# KiCad board JL-rev1.kicad_pcb (continued)
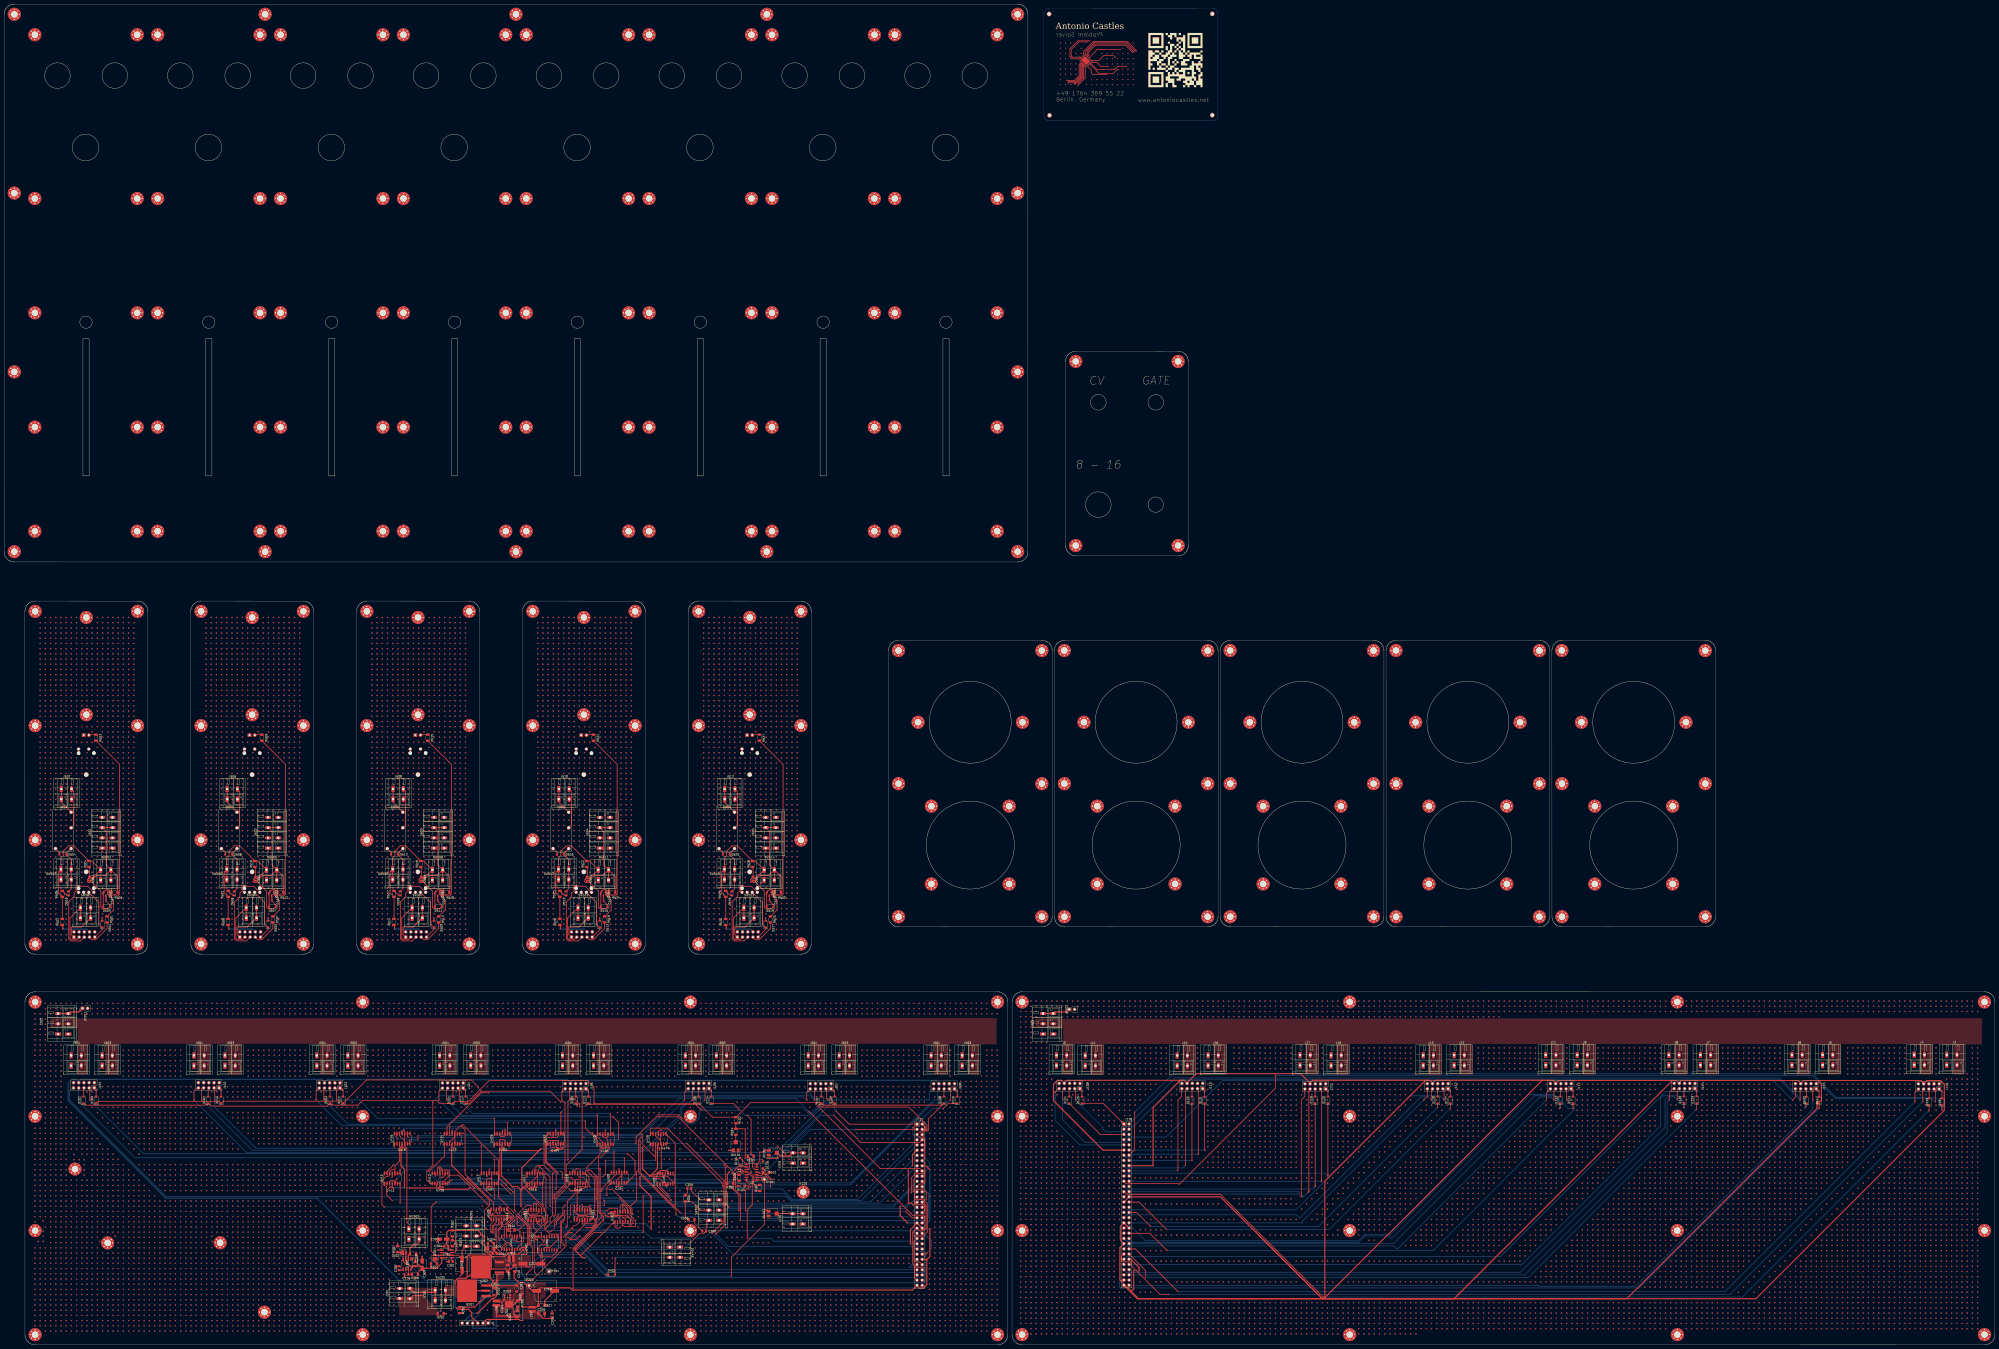
[diagram p0: board, top side]
## Routing (per net, layer and track width the routed paths; a pad name or vN(x,y) marks a point on that pad's centre or on a via; arc(x,y) is an arc through that point) (continued)
v2(383.39,141.42) v2(383.39,138.88) v2(383.39,136.34) v2(383.39,133.8) v2(383.39,131.26) v2(383.39,126.18) v2(383.39,113.48) v2(383.39,110.94) v2(383.39,108.4) v2(383.39,105.86) v2(383.39,103.32) v2(383.39,90.62) v2(383.39,85.54) v2(383.39,83) v2(383.39,80.46) v2(383.39,75.38) v2(383.39,52.52) v2(383.39,42.36) v2(383.39,39.82) v2(383.39,24.58) v2(383.39,22.04) v2(383.39,19.5) v2(383.39,16.96) v2(383.39,14.42) v2(383.39,11.88) v2(383.39,9.34) v2(383.39,6.8) v2(385.93,166.82) v2(385.93,164.28) v2(385.93,161.74) v2(385.93,143.96) v2(385.93,141.42) v2(385.93,138.88) v2(385.93,136.34) v2(385.93,133.8) v2(385.93,131.26) v2(385.93,126.18) v2(385.93,113.48) v2(385.93,110.94) v2(385.93,108.4) v2(385.93,105.86) v2(385.93,90.62) v2(385.93,85.54) v2(385.93,83) v2(385.93,80.46) v2(385.93,75.38) v2(385.93,72.84) v2(385.93,52.52) v2(385.93,42.36) v2(385.93,39.82) v2(385.93,24.58) v2(385.93,22.04) v2(385.93,19.5) v2(385.93,16.96) v2(385.93,14.42) v2(385.93,11.88) v2(385.93,9.34) v2(385.93,6.8) v2(388.47,166.82) v2(388.47,164.28) v2(388.47,161.74) v2(388.47,126.18) v2(388.47,113.48) v2(388.47,110.94) v2(388.47,108.4) v2(388.47,95.7) v2(388.47,90.62) v2(388.47,85.54) v2(388.47,83) v2(388.47,80.46) v2(388.47,52.52) v2(388.47,42.36) v2(388.47,39.82) v2(388.47,24.58) v2(388.47,22.04) v2(388.47,19.5) v2(388.47,16.96) v2(388.47,14.42) v2(388.47,11.88) v2(388.47,9.34) v2(388.47,6.8) v2(391.01,166.82) v2(391.01,164.28) v2(391.01,161.74) v2(391.01,126.18) v2(391.01,110.94) v2(391.01,98.24) v2(391.01,95.7) v2(391.01,90.62) v2(391.01,85.54) v2(391.01,83) v2(391.01,80.46) v2(391.01,52.52) v2(391.01,42.36) v2(391.01,39.82) v2(391.01,24.58) v2(391.01,22.04) v2(391.01,19.5) v2(391.01,16.96) v2(391.01,14.42) v2(391.01,11.88) v2(391.01,9.34) v2(391.01,6.8) v2(393.55,166.82) v2(393.55,164.28) v2(393.55,161.74) v2(393.55,116.02) v2(393.55,100.78) v2(393.55,98.24) v2(393.55,95.7) v2(393.55,93.16) v2(393.55,90.62) v2(393.55,88.08) v2(393.55,85.54) v2(393.55,83) v2(393.55,80.46) v2(393.55,57.6) v2(393.55,52.52) v2(393.55,42.36) v2(393.55,39.82) v2(393.55,24.58) v2(393.55,22.04) v2(393.55,19.5) v2(393.55,16.96) v2(393.55,14.42) v2(393.55,11.88) v2(393.55,9.34) v2(393.55,6.8) v2(396.09,166.82) v2(396.09,164.28) v2(396.09,161.74) v2(396.09,103.32) v2(396.09,100.78) v2(396.09,98.24) v2(396.09,95.7) v2(396.09,93.16) v2(396.09,90.62) v2(396.09,88.08) v2(396.09,85.54) v2(396.09,83) v2(396.09,80.46) v2(396.09,75.38) v2(396.09,72.84) v2(396.09,57.6) v2(396.09,52.52) v2(396.09,42.36) v2(396.09,39.82) v2(396.09,24.58) v2(396.09,22.04) v2(396.09,19.5) v2(396.09,16.96) v2(396.09,14.42) v2(396.09,11.88) v2(396.09,9.34) v2(396.09,6.8) v2(398.63,166.82) v2(398.63,164.28) v2(398.63,161.74) v2(398.63,103.32) v2(398.63,100.78) v2(398.63,98.24) v2(398.63,95.7) v2(398.63,93.16) v2(398.63,90.62) v2(398.63,88.08) v2(398.63,85.54) v2(398.63,83) v2(398.63,80.46) v2(398.63,75.38) v2(398.63,72.84) v2(398.63,57.6) v2(398.63,52.52) v2(398.63,42.36) v2(398.63,39.82) v2(398.63,24.58) v2(398.63,22.04) v2(398.63,19.5) v2(398.63,16.96) v2(398.63,14.42) v2(398.63,11.88) v2(398.63,9.34) v2(398.63,6.8) v2(401.17,166.82) v2(401.17,164.28) v2(401.17,161.74) v2(401.17,108.4) v2(401.17,103.32) v2(401.17,100.78) v2(401.17,98.24) v2(401.17,95.7) v2(401.17,93.16) v2(401.17,90.62) v2(401.17,88.08) v2(401.17,85.54) v2(401.17,83) v2(401.17,80.46) v2(401.17,75.38) v2(401.17,72.84) v2(401.17,57.6) v2(401.17,52.52) v2(401.17,42.36) v2(401.17,39.82) v2(401.17,24.58) v2(401.17,22.04) v2(401.17,19.5) v2(401.17,16.96) v2(401.17,14.42) v2(401.17,11.88) v2(401.17,9.34) v2(401.17,6.8) v2(403.71,166.82) v2(403.71,164.28) v2(403.71,161.74) v2(403.71,100.78) v2(403.71,98.24) v2(403.71,95.7) v2(403.71,93.16) v2(403.71,90.62) v2(403.71,88.08) v2(403.71,85.54) v2(403.71,83) v2(403.71,80.46) v2(403.71,75.38) v2(403.71,72.84) v2(403.71,57.6) v2(403.71,52.52) v2(403.71,42.36) v2(403.71,39.82) v2(403.71,24.58) v2(403.71,22.04) v2(403.71,19.5) v2(403.71,16.96) v2(403.71,14.42) v2(403.71,11.88) v2(403.71,9.34) v2(403.71,6.8) v2(406.25,166.82) v2(406.25,164.28) v2(406.25,161.74) v2(406.25,126.18) v2(406.25,103.32) v2(406.25,98.24) v2(406.25,95.7) v2(406.25,93.16) v2(406.25,90.62) v2(406.25,88.08) v2(406.25,85.54) v2(406.25,83) v2(406.25,80.46) v2(406.25,75.38) v2(406.25,72.84) v2(406.25,57.6) v2(406.25,52.52) v2(406.25,42.36) v2(406.25,39.82) v2(406.25,24.58) v2(406.25,22.04) v2(406.25,19.5) v2(406.25,16.96) v2(406.25,14.42) v2(406.25,11.88) v2(406.25,9.34) v2(406.25,6.8) v2(408.79,166.82) v2(408.79,164.28) v2(408.79,161.74) v2(408.79,126.18) v2(408.79,123.64) v2(408.79,121.1) v2(408.79,118.56) v2(408.79,100.78) v2(408.79,95.7) v2(408.79,93.16) v2(408.79,90.62) v2(408.79,88.08) v2(408.79,85.54) v2(408.79,83) v2(408.79,80.46) v2(408.79,75.38) v2(408.79,72.84) v2(408.79,57.6) v2(408.79,52.52) v2(408.79,42.36) v2(408.79,39.82) v2(408.79,24.58) v2(408.79,22.04) v2(408.79,19.5) v2(408.79,16.96) v2(408.79,14.42) v2(408.79,11.88) v2(408.79,9.34) v2(408.79,6.8) v2(411.33,166.82) v2(411.33,164.28) v2(411.33,161.74) v2(411.33,126.18) v2(411.33,123.64) v2(411.33,121.1) v2(411.33,118.56) v2(411.33,113.48) v2(411.33,98.24) v2(411.33,93.16) v2(411.33,90.62) v2(411.33,88.08) v2(411.33,85.54) v2(411.33,83) v2(411.33,80.46) v2(411.33,75.38) v2(411.33,72.84) v2(411.33,57.6) v2(411.33,52.52) v2(411.33,42.36) v2(411.33,39.82) v2(411.33,24.58) v2(411.33,22.04) v2(411.33,19.5) v2(411.33,16.96) v2(411.33,14.42) v2(411.33,11.88) v2(411.33,9.34) v2(411.33,6.8) v2(413.87,166.82) v2(413.87,164.28) v2(413.87,161.74) v2(413.87,126.18) v2(413.87,123.64) v2(413.87,121.1) v2(413.87,118.56) v2(413.87,113.48) v2(413.87,110.94) v2(413.87,95.7) v2(413.87,90.62) v2(413.87,88.08) v2(413.87,85.54) v2(413.87,83) v2(413.87,75.38) v2(413.87,72.84) v2(413.87,57.6) v2(413.87,52.52) v2(413.87,42.36) v2(413.87,39.82) v2(413.87,24.58) v2(413.87,22.04) v2(413.87,19.5) v2(413.87,16.96) v2(413.87,14.42) v2(413.87,11.88) v2(413.87,9.34) v2(413.87,6.8) v2(416.41,166.82) v2(416.41,164.28) v2(416.41,161.74) v2(416.41,126.18) v2(416.41,123.64) v2(416.41,121.1) v2(416.41,118.56) v2(416.41,113.48) v2(416.41,110.94) v2(416.41,103.32) v2(416.41,93.16) v2(416.41,88.08) v2(416.41,85.54) v2(416.41,77.92) v2(416.41,75.38) v2(416.41,72.84) v2(416.41,57.6) v2(416.41,52.52) v2(416.41,42.36) v2(416.41,39.82) v2(416.41,24.58) v2(416.41,22.04) v2(416.41,19.5) v2(416.41,16.96) v2(416.41,14.42) v2(416.41,11.88) v2(416.41,9.34) v2(416.41,6.8) v2(418.95,166.82) v2(418.95,164.28) v2(418.95,161.74) v2(418.95,143.96) v2(418.95,141.42) v2(418.95,138.88) v2(418.95,136.34) v2(418.95,133.8) v2(418.95,131.26) v2(418.95,126.18) v2(418.95,123.64) v2(418.95,121.1) v2(418.95,118.56) v2(418.95,113.48) v2(418.95,110.94) v2(418.95,103.32) v2(418.95,100.78) v2(418.95,90.62) v2(418.95,80.46) v2(418.95,77.92) v2(418.95,75.38) v2(418.95,57.6) v2(418.95,52.52) v2(418.95,42.36) v2(418.95,39.82) v2(418.95,24.58) v2(418.95,22.04) v2(418.95,19.5) v2(418.95,16.96) v2(418.95,14.42) v2(418.95,11.88) v2(418.95,9.34) v2(418.95,6.8) v2(421.49,166.82) v2(421.49,164.28) v2(421.49,161.74) v2(421.49,143.96) v2(421.49,141.42) v2(421.49,138.88) v2(421.49,136.34) v2(421.49,133.8) v2(421.49,131.26) v2(421.49,126.18) v2(421.49,123.64) v2(421.49,121.1) v2(421.49,118.56) v2(421.49,113.48) v2(421.49,110.94) v2(421.49,103.32) v2(421.49,100.78) v2(421.49,95.7) v2(421.49,83) v2(421.49,80.46) v2(421.49,77.92) v2(421.49,57.6) v2(421.49,52.52) v2(421.49,42.36) v2(421.49,39.82) v2(421.49,24.58) v2(421.49,22.04) v2(421.49,19.5) v2(421.49,16.96) v2(421.49,14.42) v2(421.49,11.88) v2(421.49,9.34) v2(421.49,6.8) v2(424.03,166.82) v2(424.03,164.28) v2(424.03,161.74) v2(424.03,143.96) v2(424.03,141.42) v2(424.03,138.88) v2(424.03,136.34) v2(424.03,133.8) v2(424.03,131.26) v2(424.03,126.18) v2(424.03,123.64) v2(424.03,121.1) v2(424.03,118.56) v2(424.03,113.48) v2(424.03,110.94) v2(424.03,103.32) v2(424.03,100.78) v2(424.03,95.7) v2(424.03,93.16) v2(424.03,85.54) v2(424.03,80.46) v2(424.03,72.84) v2(424.03,57.6) v2(424.03,52.52) v2(424.03,42.36) v2(424.03,39.82) v2(424.03,24.58) v2(424.03,22.04) v2(424.03,19.5) v2(424.03,16.96) v2(424.03,14.42) v2(424.03,11.88) v2(424.03,9.34) v2(424.03,6.8) v2(426.57,166.82) v2(426.57,164.28) v2(426.57,161.74) v2(426.57,143.96) v2(426.57,141.42) v2(426.57,138.88) v2(426.57,136.34) v2(426.57,133.8) v2(426.57,131.26) v2(426.57,126.18) v2(426.57,123.64) v2(426.57,121.1) v2(426.57,118.56) v2(426.57,113.48) v2(426.57,110.94) v2(426.57,103.32) v2(426.57,100.78) v2(426.57,95.7) v2(426.57,83) v2(426.57,75.38) v2(426.57,70.3) v2(426.57,57.6) v2(426.57,52.52) v2(426.57,42.36) v2(426.57,39.82) v2(426.57,24.58) v2(426.57,22.04) v2(426.57,19.5) v2(426.57,16.96) v2(426.57,14.42) v2(426.57,11.88) v2(426.57,9.34) v2(426.57,6.8) v2(429.11,166.82) v2(429.11,164.28) v2(429.11,161.74) v2(429.11,143.96) v2(429.11,141.42) v2(429.11,138.88) v2(429.11,136.34) v2(429.11,133.8) v2(429.11,131.26) v2(429.11,126.18) v2(429.11,123.64) v2(429.11,121.1) v2(429.11,118.56) v2(429.11,113.48) v2(429.11,110.94) v2(429.11,103.32) v2(429.11,100.78) v2(429.11,90.62) v2(429.11,88.08) v2(429.11,72.84) v2(429.11,57.6) v2(429.11,52.52) v2(429.11,42.36) v2(429.11,39.82) v2(429.11,24.58) v2(429.11,22.04) v2(429.11,19.5) v2(429.11,16.96) v2(429.11,14.42) v2(429.11,11.88) v2(429.11,9.34) v2(429.11,6.8) v2(431.65,166.82) v2(431.65,164.28) v2(431.65,161.74) v2(431.65,143.96) v2(431.65,141.42) v2(431.65,138.88) v2(431.65,136.34) v2(431.65,133.8) v2(431.65,131.26) v2(431.65,126.18) v2(431.65,123.64) v2(431.65,121.1) v2(431.65,118.56) v2(431.65,113.48) v2(431.65,110.94) v2(431.65,103.32) v2(431.65,100.78) v2(431.65,93.16) v2(431.65,90.62) v2(431.65,88.08) v2(431.65,80.46) v2(431.65,70.3) v2(431.65,57.6) v2(431.65,52.52) v2(431.65,42.36) v2(431.65,39.82) v2(431.65,24.58) v2(431.65,22.04) v2(431.65,19.5) v2(431.65,16.96) v2(431.65,14.42) v2(431.65,11.88) v2(431.65,9.34) v2(431.65,6.8) v2(434.19,166.82) v2(434.19,164.28) v2(434.19,161.74) v2(434.19,143.96) v2(434.19,141.42) v2(434.19,138.88) v2(434.19,136.34) v2(434.19,133.8) v2(434.19,131.26) v2(434.19,126.18) v2(434.19,123.64) v2(434.19,121.1) v2(434.19,118.56) v2(434.19,113.48) v2(434.19,110.94) v2(434.19,103.32) v2(434.19,95.7) v2(434.19,93.16) v2(434.19,90.62) v2(434.19,83) v2(434.19,77.92) v2(434.19,70.3) v2(434.19,57.6) v2(434.19,52.52) v2(434.19,42.36) v2(434.19,39.82) v2(434.19,24.58) v2(434.19,22.04) v2(434.19,19.5) v2(434.19,16.96) v2(434.19,14.42) v2(434.19,11.88) v2(434.19,9.34) v2(434.19,6.8) v2(436.73,166.82) v2(436.73,164.28) v2(436.73,161.74) v2(436.73,143.96) v2(436.73,141.42) v2(436.73,138.88) v2(436.73,136.34) v2(436.73,133.8) v2(436.73,131.26) v2(436.73,126.18) v2(436.73,123.64) v2(436.73,121.1) v2(436.73,118.56) v2(436.73,113.48) v2(436.73,110.94) v2(436.73,95.7) v2(436.73,93.16) v2(436.73,80.46) v2(436.73,75.38) v2(436.73,72.84) v2(436.73,57.6) v2(436.73,52.52) v2(436.73,42.36) v2(436.73,39.82) v2(436.73,24.58) v2(436.73,22.04) v2(436.73,19.5) v2(436.73,16.96) v2(436.73,14.42) v2(436.73,11.88) v2(436.73,9.34) v2(436.73,6.8) v2(439.27,166.82) v2(439.27,164.28) v2(439.27,161.74) v2(439.27,143.96) v2(439.27,141.42) v2(439.27,138.88) v2(439.27,136.34) v2(439.27,133.8) v2(439.27,131.26) v2(439.27,126.18) v2(439.27,123.64) v2(439.27,121.1) v2(439.27,118.56) v2(439.27,113.48) v2(439.27,110.94) v2(439.27,100.78) v2(439.27,95.7) v2(439.27,88.08) v2(439.27,83) v2(439.27,77.92) v2(439.27,75.38) v2(439.27,57.6) v2(439.27,52.52) v2(439.27,42.36) v2(439.27,39.82) v2(439.27,24.58) v2(439.27,22.04) v2(439.27,19.5) v2(439.27,16.96) v2(439.27,14.42) v2(439.27,11.88) v2(439.27,9.34) v2(439.27,6.8) v2(441.81,166.82) v2(441.81,164.28) v2(441.81,161.74) v2(441.81,143.96) v2(441.81,141.42) v2(441.81,138.88) v2(441.81,136.34) v2(441.81,133.8) v2(441.81,131.26) v2(441.81,126.18) v2(441.81,123.64) v2(441.81,121.1) v2(441.81,118.56) v2(441.81,113.48) v2(441.81,110.94) v2(441.81,103.32) v2(441.81,100.78) v2(441.81,90.62) v2(441.81,42.36) v2(441.81,39.82) v2(441.81,24.58) v2(441.81,22.04) v2(441.81,19.5) v2(441.81,16.96) v2(441.81,14.42) v2(441.81,11.88) v2(441.81,9.34) v2(441.81,6.8) v2(444.35,166.82) v2(444.35,164.28) v2(444.35,161.74) v2(444.35,143.96) v2(444.35,141.42) v2(444.35,138.88) v2(444.35,136.34) v2(444.35,133.8) v2(444.35,131.26) v2(444.35,126.18) v2(444.35,123.64) v2(444.35,121.1) v2(444.35,118.56) v2(444.35,116.02) v2(444.35,24.58) v2(444.35,22.04) v2(444.35,19.5) v2(444.35,16.96) v2(444.35,14.42) v2(444.35,11.88) v2(444.35,9.34) v2(444.35,6.8) v2(446.89,166.82) v2(446.89,164.28) v2(446.89,161.74) v2(446.89,143.96) v2(446.89,141.42) v2(446.89,138.88) v2(446.89,136.34) v2(446.89,133.8) v2(446.89,131.26) v2(446.89,126.18) v2(446.89,123.64) v2(446.89,121.1) v2(446.89,118.56) v2(446.89,116.02) v2(446.89,24.58) v2(446.89,22.04) v2(446.89,19.5) v2(446.89,16.96) v2(446.89,14.42) v2(446.89,11.88) v2(446.89,9.34) v2(446.89,6.8) v2(449.43,166.82) v2(449.43,164.28) v2(449.43,161.74) v2(449.43,126.18) v2(449.43,123.64) v2(449.43,121.1) v2(449.43,118.56) v2(449.43,24.58) v2(449.43,22.04) v2(449.43,19.5) v2(449.43,16.96) v2(449.43,14.42) v2(449.43,11.88) v2(449.43,9.34) v2(449.43,6.8) v2(451.97,166.82) v2(451.97,164.28) v2(451.97,161.74) v2(451.97,126.18) v2(451.97,103.32) v2(451.97,100.78) v2(451.97,98.24) v2(451.97,95.7) v2(451.97,93.16) v2(451.97,39.82) v2(451.97,37.28) v2(451.97,34.74) v2(451.97,32.2) v2(451.97,29.66) v2(451.97,27.12) v2(451.97,24.58) v2(451.97,22.04) v2(451.97,19.5) v2(451.97,16.96) v2(451.97,14.42) v2(451.97,11.88) v2(451.97,9.34) v2(451.97,6.8) v2(454.51,166.82) v2(454.51,164.28) v2(454.51,161.74) v2(454.51,121.1) v2(454.51,110.94) v2(454.51,108.4) v2(454.51,105.86) v2(454.51,103.32) v2(454.51,100.78) v2(454.51,98.24) v2(454.51,95.7) v2(454.51,93.16) v2(454.51,90.62) v2(454.51,88.08) v2(454.51,85.54) v2(454.51,83) v2(454.51,80.46) v2(454.51,77.92) v2(454.51,75.38) v2(454.51,72.84) v2(454.51,70.3) v2(454.51,67.76) v2(454.51,65.22) v2(454.51,62.68) v2(454.51,60.14) v2(454.51,57.6) v2(454.51,55.06) v2(454.51,52.52) v2(454.51,49.98) v2(454.51,47.44) v2(454.51,44.9) v2(454.51,42.36) v2(454.51,39.82) v2(454.51,37.28) v2(454.51,34.74) v2(454.51,32.2) v2(454.51,29.66) v2(454.51,27.12) v2(454.51,24.58) v2(454.51,22.04) v2(454.51,19.5) v2(454.51,16.96) v2(454.51,14.42) v2(454.51,11.88) v2(454.51,9.34) v2(454.51,6.8) v2(457.05,166.82) v2(457.05,164.28) v2(457.05,161.74) v2(457.05,121.1) v2(457.05,113.48) v2(457.05,110.94) v2(457.05,108.4) v2(457.05,105.86) v2(457.05,103.32) v2(457.05,100.78) v2(457.05,98.24) v2(457.05,95.7) v2(457.05,93.16) v2(457.05,90.62) v2(457.05,88.08) v2(457.05,85.54) v2(457.05,83) v2(457.05,80.46) v2(457.05,77.92) v2(457.05,75.38) v2(457.05,72.84) v2(457.05,70.3) v2(457.05,67.76) v2(457.05,65.22) v2(457.05,62.68) v2(457.05,60.14) v2(457.05,57.6) v2(457.05,55.06) v2(457.05,52.52) v2(457.05,49.98) v2(457.05,47.44) v2(457.05,44.9) v2(457.05,42.36) v2(457.05,39.82) v2(457.05,37.28) v2(457.05,34.74) v2(457.05,32.2) v2(457.05,29.66) v2(457.05,27.12) v2(457.05,24.58) v2(457.05,22.04) v2(457.05,19.5) v2(457.05,16.96) v2(457.05,14.42) v2(457.05,11.88) v2(457.05,9.34) v2(457.05,6.8) v2(459.59,166.82) v2(459.59,164.28) v2(459.59,161.74) v2(459.59,113.48) v2(459.59,110.94) v2(459.59,108.4) v2(459.59,105.86) v2(459.59,103.32) v2(459.59,100.78) v2(459.59,98.24) v2(459.59,95.7) v2(459.59,93.16) v2(459.59,90.62) v2(459.59,88.08) v2(459.59,85.54) v2(459.59,83) v2(459.59,80.46) v2(459.59,77.92) v2(459.59,75.38) v2(459.59,72.84) v2(459.59,70.3) v2(459.59,67.76) v2(459.59,65.22) v2(459.59,62.68) v2(459.59,60.14) v2(459.59,57.6) v2(459.59,55.06) v2(459.59,52.52) v2(459.59,49.98) v2(459.59,47.44) v2(459.59,44.9) v2(459.59,42.36) v2(459.59,39.82) v2(459.59,37.28) v2(459.59,34.74) v2(459.59,32.2) v2(459.59,29.66) v2(459.59,27.12) v2(459.59,24.58) v2(459.59,22.04) v2(459.59,19.5) v2(459.59,16.96) v2(459.59,14.42) v2(459.59,11.88) v2(459.59,9.34) v2(459.59,6.8) v2(462.13,166.82) v2(462.13,164.28) v2(462.13,161.74) v2(462.13,143.96) v2(462.13,141.42) v2(462.13,138.88) v2(462.13,136.34) v2(462.13,133.8) v2(462.13,131.26) v2(462.13,116.02) v2(462.13,113.48) v2(462.13,110.94) v2(462.13,108.4) v2(462.13,105.86) v2(462.13,103.32) v2(462.13,100.78) v2(462.13,98.24) v2(462.13,95.7) v2(462.13,93.16) v2(462.13,90.62) v2(462.13,88.08) v2(462.13,85.54) v2(462.13,83) v2(462.13,80.46) v2(462.13,77.92) v2(462.13,75.38) v2(462.13,72.84) v2(462.13,70.3) v2(462.13,67.76) v2(462.13,65.22) v2(462.13,62.68) v2(462.13,60.14) v2(462.13,57.6) v2(462.13,55.06) v2(462.13,52.52) v2(462.13,49.98) v2(462.13,47.44) v2(462.13,44.9) v2(462.13,42.36) v2(462.13,39.82) v2(462.13,37.28) v2(462.13,34.74) v2(462.13,32.2) v2(462.13,29.66) v2(462.13,27.12) v2(462.13,24.58) v2(462.13,22.04) v2(462.13,19.5) v2(462.13,16.96) v2(462.13,14.42) v2(462.13,11.88) v2(462.13,9.34) v2(462.13,6.8) v2(464.67,166.82) v2(464.67,164.28) v2(464.67,161.74) v2(464.67,116.02) v2(464.67,113.48) v2(464.67,110.94) v2(464.67,108.4) v2(464.67,105.86) v2(464.67,103.32) v2(464.67,100.78) v2(464.67,98.24) v2(464.67,95.7) v2(464.67,93.16) v2(464.67,90.62) v2(464.67,88.08) v2(464.67,85.54) v2(464.67,83) v2(464.67,80.46) v2(464.67,77.92) v2(464.67,75.38) v2(464.67,72.84) v2(464.67,70.3) v2(464.67,67.76) v2(464.67,65.22) v2(464.67,62.68) v2(464.67,60.14) v2(464.67,57.6) v2(464.67,55.06) v2(464.67,52.52) v2(464.67,49.98) v2(464.67,47.44) v2(464.67,44.9) v2(464.67,42.36) v2(464.67,39.82) v2(464.67,37.28) v2(464.67,34.74) v2(464.67,32.2) v2(464.67,29.66) v2(464.67,27.12) v2(464.67,24.58) v2(464.67,22.04) v2(464.67,19.5) v2(464.67,16.96) v2(464.67,14.42) v2(464.67,11.88) v2(464.67,9.34) v2(464.67,6.8) v2(467.21,166.82) v2(467.21,164.28) v2(467.21,161.74) v2(467.21,128.72) v2(467.21,126.18) v2(467.21,123.64) v2(467.21,121.1) v2(467.21,118.56) v2(467.21,116.02) v2(467.21,113.48) v2(467.21,110.94) v2(467.21,108.4) v2(467.21,105.86) v2(467.21,103.32) v2(467.21,100.78) v2(467.21,98.24) v2(467.21,95.7) v2(467.21,93.16) v2(467.21,90.62) v2(467.21,88.08) v2(467.21,85.54) v2(467.21,83) v2(467.21,80.46) v2(467.21,77.92) v2(467.21,75.38) v2(467.21,72.84) v2(467.21,70.3) v2(467.21,67.76) v2(467.21,65.22) v2(467.21,62.68) v2(467.21,60.14) v2(467.21,57.6) v2(467.21,55.06) v2(467.21,52.52) v2(467.21,49.98) v2(467.21,47.44) v2(467.21,44.9) v2(467.21,42.36) v2(467.21,39.82) v2(467.21,37.28) v2(467.21,34.74) v2(467.21,32.2) v2(467.21,29.66) v2(467.21,27.12) v2(467.21,24.58) v2(467.21,22.04) v2(467.21,19.5) v2(467.21,16.96) v2(467.21,14.42) v2(467.21,11.88) v2(467.21,9.34) v2(467.21,6.8) v2(469.75,166.82) v2(469.75,164.28) v2(469.75,161.74) v2(469.75,128.72) v2(469.75,126.18) v2(469.75,123.64) v2(469.75,121.1) v2(469.75,118.56) v2(469.75,116.02) v2(469.75,113.48) v2(469.75,110.94) v2(469.75,108.4) v2(469.75,105.86) v2(469.75,103.32) v2(469.75,100.78) v2(469.75,98.24) v2(469.75,95.7) v2(469.75,93.16) v2(469.75,90.62) v2(469.75,88.08) v2(469.75,85.54) v2(469.75,83) v2(469.75,80.46) v2(469.75,77.92) v2(469.75,75.38) v2(469.75,72.84) v2(469.75,70.3) v2(469.75,67.76) v2(469.75,65.22) v2(469.75,62.68) v2(469.75,60.14) v2(469.75,57.6) v2(469.75,55.06) v2(469.75,52.52) v2(469.75,49.98) v2(469.75,47.44) v2(469.75,44.9) v2(469.75,42.36) v2(469.75,39.82) v2(469.75,37.28) v2(469.75,34.74) v2(469.75,32.2) v2(469.75,29.66) v2(469.75,27.12) v2(469.75,24.58) v2(469.75,22.04) v2(469.75,19.5) v2(469.75,16.96) v2(469.75,14.42) v2(469.75,11.88) v2(469.75,9.34) v2(469.75,6.8) v2(472.29,166.82) v2(472.29,164.28) v2(472.29,161.74) v2(472.29,128.72) v2(472.29,126.18) v2(472.29,123.64) v2(472.29,121.1) v2(472.29,118.56) v2(472.29,116.02) v2(472.29,113.48) v2(472.29,110.94) v2(472.29,108.4) v2(472.29,105.86) v2(472.29,103.32) v2(472.29,100.78) v2(472.29,98.24) v2(472.29,95.7) v2(472.29,93.16) v2(472.29,90.62) v2(472.29,88.08) v2(472.29,85.54) v2(472.29,83) v2(472.29,80.46) v2(472.29,77.92) v2(472.29,75.38) v2(472.29,72.84) v2(472.29,70.3) v2(472.29,67.76) v2(472.29,65.22) v2(472.29,62.68) v2(472.29,60.14) v2(472.29,57.6) v2(472.29,55.06) v2(472.29,52.52) v2(472.29,49.98) v2(472.29,47.44) v2(472.29,44.9) v2(472.29,42.36) v2(472.29,39.82) v2(472.29,37.28) v2(472.29,34.74) v2(472.29,32.2) v2(472.29,29.66) v2(472.29,27.12) v2(472.29,24.58) v2(472.29,22.04) v2(472.29,19.5) v2(472.29,16.96) v2(472.29,14.42) v2(472.29,11.88) v2(472.29,9.34) v2(472.29,6.8) v2(474.83,166.82) v2(474.83,164.28) v2(474.83,161.74) v2(474.83,128.72) v2(474.83,126.18) v2(474.83,123.64) v2(474.83,121.1) v2(474.83,118.56) v2(474.83,116.02) v2(474.83,113.48) v2(474.83,110.94) v2(474.83,108.4) v2(474.83,105.86) v2(474.83,103.32) v2(474.83,100.78) v2(474.83,98.24) v2(474.83,95.7) v2(474.83,93.16) v2(474.83,90.62) v2(474.83,88.08) v2(474.83,85.54) v2(474.83,83) v2(474.83,80.46) v2(474.83,77.92) v2(474.83,75.38) v2(474.83,72.84) v2(474.83,70.3) v2(474.83,67.76) v2(474.83,65.22) v2(474.83,62.68) v2(474.83,60.14) v2(474.83,57.6) v2(474.83,55.06) v2(474.83,52.52) v2(474.83,49.98) v2(474.83,47.44) v2(474.83,44.9) v2(474.83,42.36) v2(474.83,39.82) v2(474.83,37.28) v2(474.83,34.74) v2(474.83,32.2) v2(474.83,29.66) v2(474.83,27.12) v2(474.83,24.58) v2(474.83,22.04) v2(474.83,19.5) v2(474.83,16.96) v2(474.83,14.42) v2(474.83,11.88) v2(474.83,9.34) v2(474.83,6.8) v2(477.37,166.82) v2(477.37,164.28) v2(477.37,161.74) v2(477.37,131.26) v2(477.37,128.72) v2(477.37,126.18) v2(477.37,123.64) v2(477.37,121.1) v2(477.37,118.56) v2(477.37,116.02) v2(477.37,113.48) v2(477.37,110.94) v2(477.37,108.4) v2(477.37,105.86) v2(477.37,103.32) v2(477.37,100.78) v2(477.37,98.24) v2(477.37,95.7) v2(477.37,93.16) v2(477.37,90.62) v2(477.37,88.08) v2(477.37,85.54) v2(477.37,83) v2(477.37,80.46) v2(477.37,77.92) v2(477.37,75.38) v2(477.37,72.84) v2(477.37,70.3) v2(477.37,67.76) v2(477.37,65.22) v2(477.37,62.68) v2(477.37,60.14) v2(477.37,57.6) v2(477.37,55.06) v2(477.37,52.52) v2(477.37,49.98) v2(477.37,47.44) v2(477.37,44.9) v2(477.37,42.36) v2(477.37,39.82) v2(477.37,37.28) v2(477.37,34.74) v2(477.37,32.2) v2(477.37,29.66) v2(477.37,27.12) v2(477.37,24.58) v2(477.37,22.04) v2(477.37,19.5) v2(477.37,16.96) v2(477.37,14.42) v2(477.37,11.88) v2(477.37,9.34) v2(477.37,6.8) v2(479.91,166.82) v2(479.91,164.28) v2(479.91,161.74) v2(479.91,143.96) v2(479.91,141.42) v2(479.91,138.88) v2(479.91,136.34) v2(479.91,133.8) v2(479.91,131.26) v2(479.91,128.72) v2(479.91,126.18) v2(479.91,123.64) v2(479.91,121.1) v2(479.91,118.56) v2(479.91,116.02) v2(479.91,113.48) v2(479.91,110.94) v2(479.91,108.4) v2(479.91,105.86) v2(479.91,103.32) v2(479.91,100.78) v2(479.91,98.24) v2(479.91,95.7) v2(479.91,93.16) v2(479.91,90.62) v2(479.91,88.08) v2(479.91,85.54) v2(479.91,83) v2(479.91,80.46) v2(479.91,77.92) v2(479.91,75.38) v2(479.91,72.84) v2(479.91,70.3) v2(479.91,67.76) v2(479.91,65.22) v2(479.91,62.68) v2(479.91,60.14) v2(479.91,57.6) v2(479.91,55.06) v2(479.91,52.52) v2(479.91,49.98) v2(479.91,47.44) v2(479.91,44.9) v2(479.91,42.36) v2(479.91,39.82) v2(479.91,37.28) v2(479.91,34.74) v2(479.91,32.2) v2(479.91,29.66) v2(479.91,27.12) v2(479.91,24.58) v2(479.91,22.04) v2(479.91,19.5) v2(479.91,16.96) v2(479.91,14.42) v2(479.91,11.88) v2(479.91,9.34) v2(479.91,6.8) v2(482.45,161.74) v2(482.45,143.96) v2(482.45,141.42) v2(482.45,138.88) v2(482.45,136.34) v2(482.45,133.8) v2(482.45,131.26) v2(482.45,128.72) v2(482.45,126.18) v2(482.45,123.64) v2(482.45,121.1) v2(482.45,118.56) v2(482.45,116.02) v2(482.45,105.86) v2(482.45,103.32) v2(482.45,100.78) v2(482.45,98.24) v2(482.45,95.7) v2(482.45,93.16) v2(482.45,90.62) v2(482.45,88.08) v2(482.45,85.54) v2(482.45,83) v2(482.45,80.46) v2(482.45,77.92) v2(482.45,75.38) v2(482.45,72.84) v2(482.45,70.3) v2(482.45,67.76) v2(482.45,65.22) v2(482.45,62.68) v2(482.45,60.14) v2(482.45,49.98) v2(482.45,47.44) v2(482.45,44.9) v2(482.45,42.36) v2(482.45,39.82) v2(482.45,37.28) v2(482.45,34.74) v2(482.45,32.2) v2(482.45,29.66) v2(482.45,27.12) v2(482.45,24.58) v2(482.45,22.04) v2(482.45,19.5) v2(482.45,16.96) v2(482.45,14.42) v2(482.45,11.88) v2(482.45,9.34) v2(484.99,161.74) v2(484.99,143.96) v2(484.99,141.42) v2(484.99,138.88) v2(484.99,136.34) v2(484.99,133.8) v2(484.99,131.26) v2(484.99,128.72) v2(484.99,126.18) v2(484.99,123.64) v2(484.99,121.1) v2(484.99,118.56) v2(484.99,116.02) v2(484.99,105.86) v2(484.99,103.32) v2(484.99,100.78) v2(484.99,98.24) v2(484.99,95.7) v2(484.99,93.16) v2(484.99,90.62) v2(484.99,88.08) v2(484.99,85.54) v2(484.99,83) v2(484.99,80.46) v2(484.99,77.92) v2(484.99,75.38) v2(484.99,72.84) v2(484.99,70.3) v2(484.99,67.76) v2(484.99,65.22) v2(484.99,62.68) v2(484.99,60.14) v2(484.99,49.98) v2(484.99,47.44) v2(484.99,44.9) v2(484.99,42.36) v2(484.99,39.82) v2(484.99,37.28) v2(484.99,34.74) v2(484.99,32.2) v2(484.99,29.66) v2(484.99,27.12) v2(484.99,24.58) v2(484.99,22.04) v2(484.99,19.5) v2(484.99,16.96) v2(484.99,14.42) v2(484.99,11.88) v2(484.99,9.34) v3(16.66,50.53) v3(19.16,60.53) v3(19.16,55.53) v3(19.16,53.03) v3(19.16,50.53) v3(34.16,93.03) v3(34.16,90.53) v3(36.66,90.53) v3(39.16,90.53) v3(39.16,88.03) v3(39.16,85.53) v3(39.16,83.03) v3(46.66,98.03) v3(46.66,98.03) v3(46.66,50.53) v3(54.16,53.03) v3(101.66,53.03) v3(101.66,50.53) v3(109.16,53.03) v3(195.88,95.78)
